# Altium PCB betrusted_dvt1b-dfm.PcbDoc (part 1 of 6) (continued)
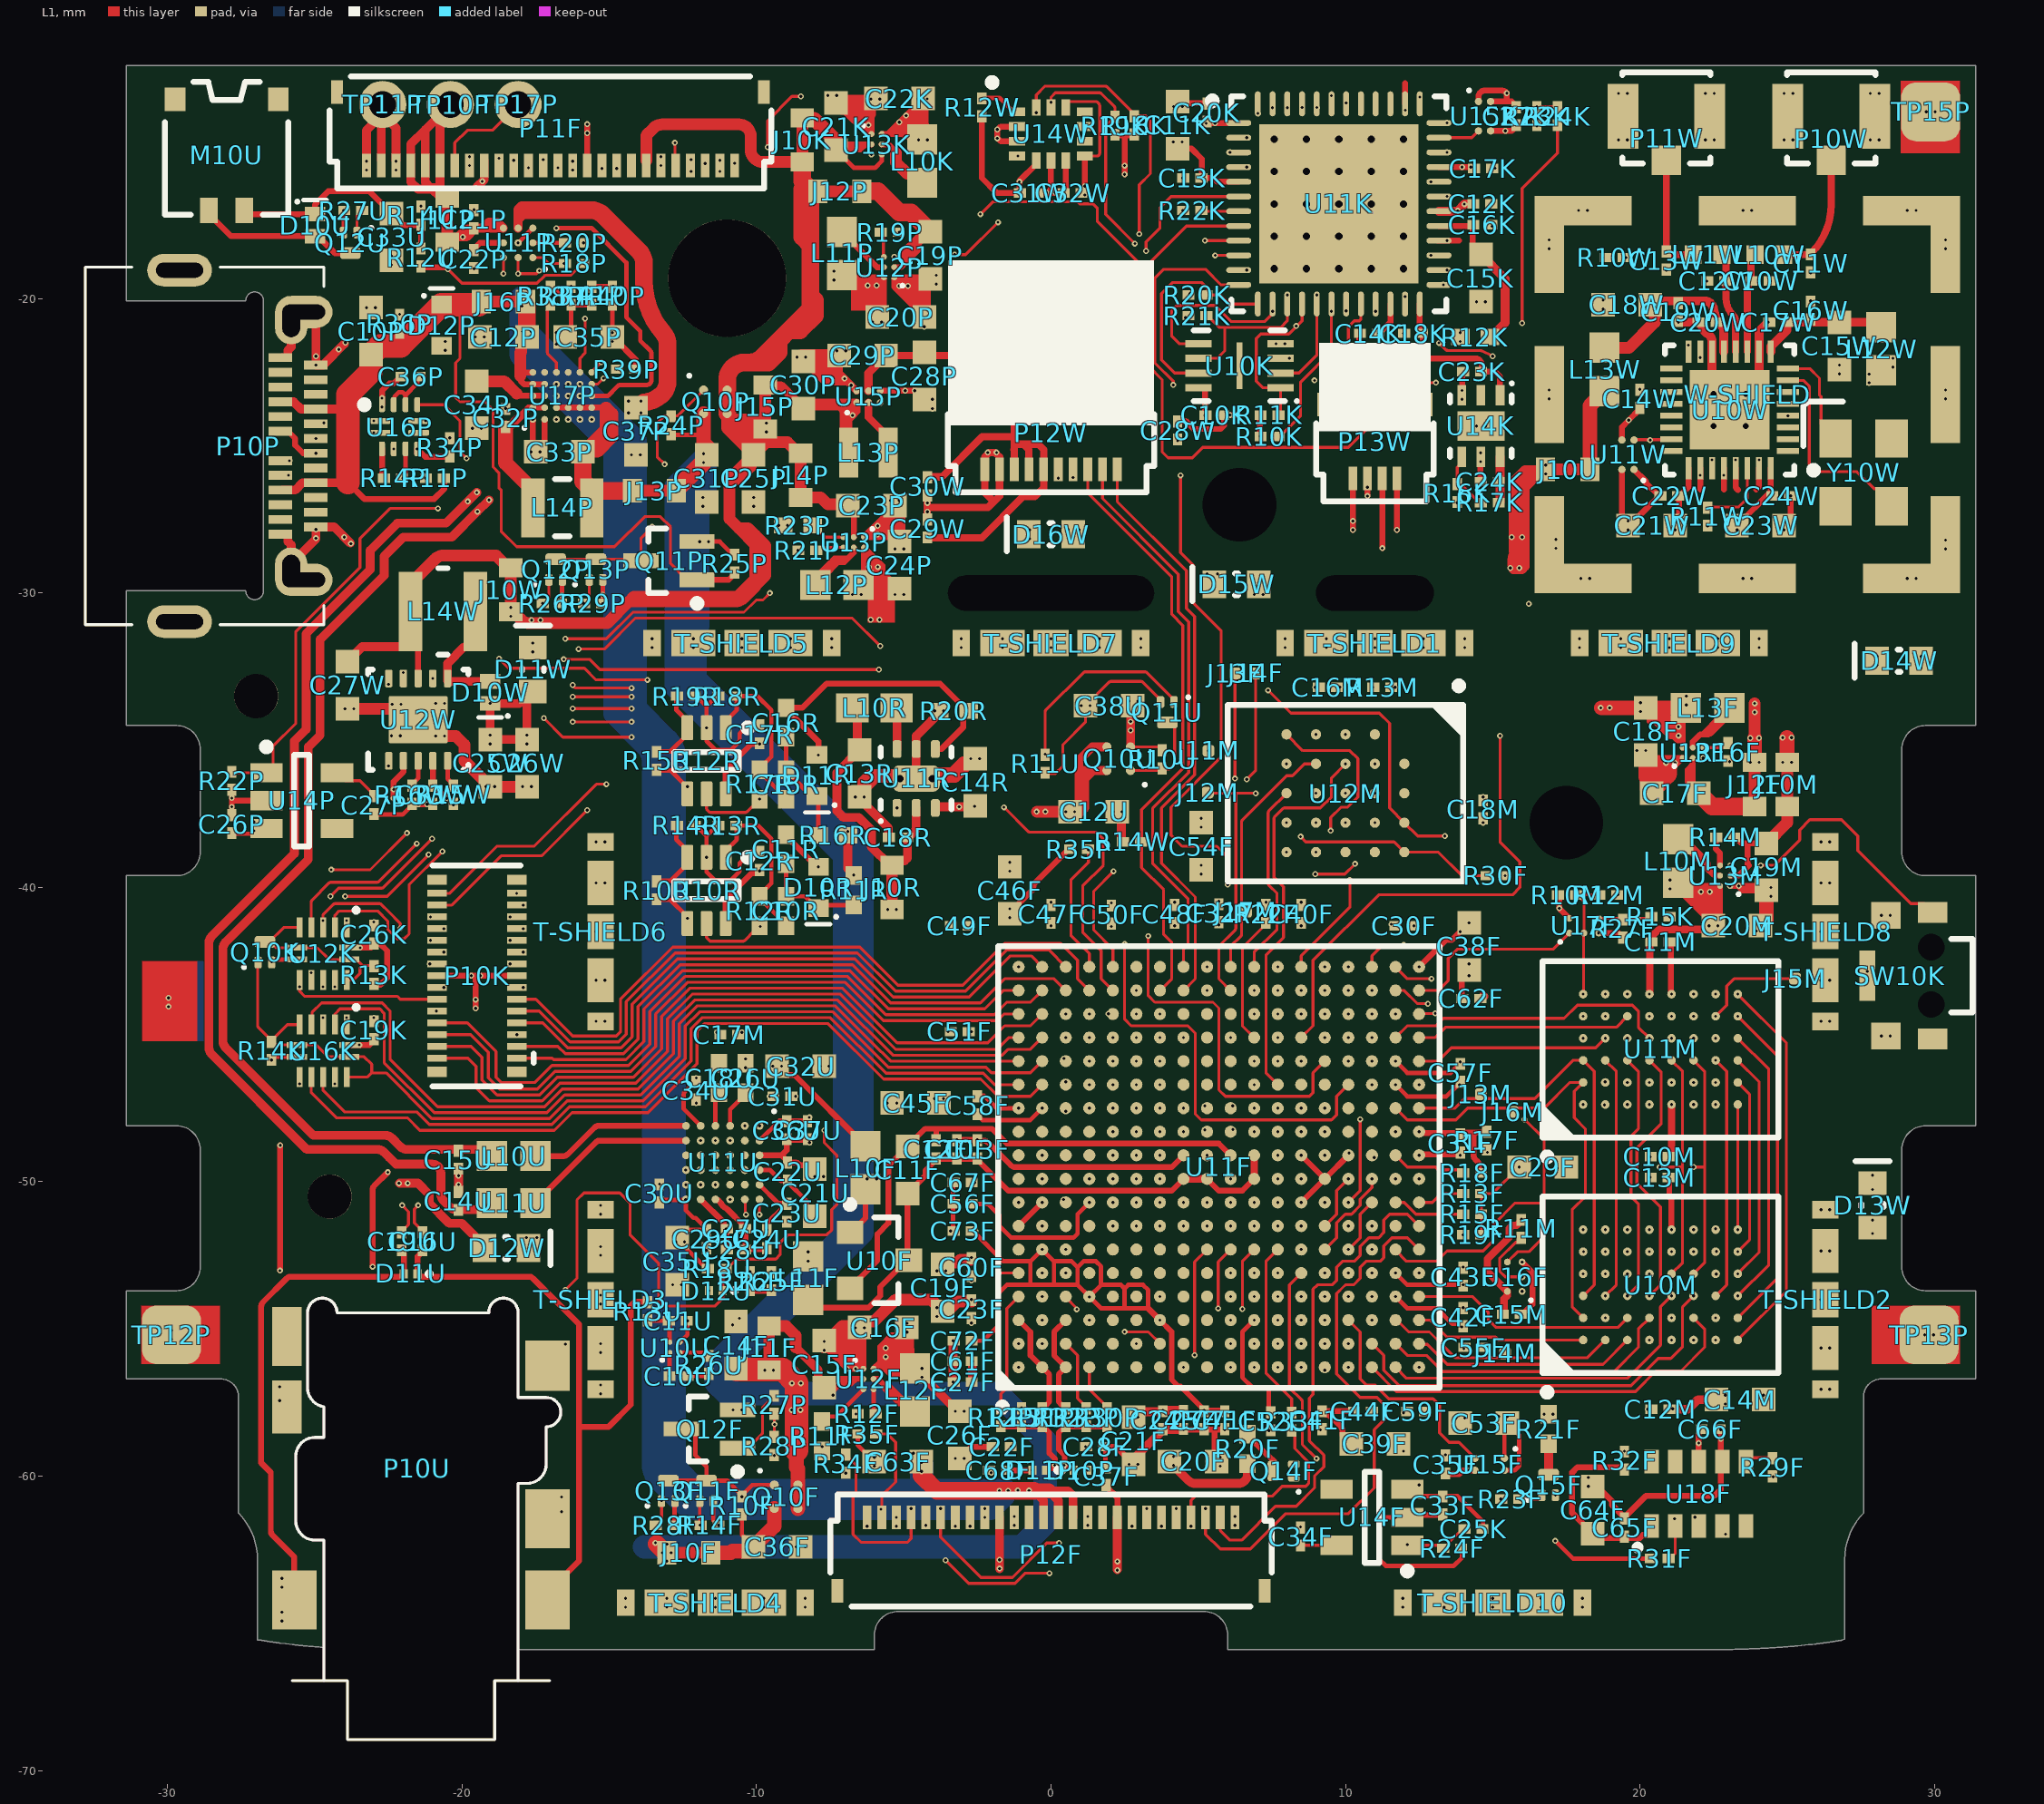
[diagram p0: L1 view]
## Components (designator, comment, footprint, x,y, rotation, side; value= is the part's Value field where it differs from the comment)
C10F "0.47uF, 6.3V, X5R" B_CAP0201 -3.2,-48.9 r270 top
C10K "0.1uF, 6.3V, X5R" B_CAP0201 5.55,-23.95 r0 top
C10M "0.47uF, 6.3V, X5R" B_CAP0201 20.675,-49.15 r180 top
C10P "1.0uF, 25V, X5R" B_CAP0603 -23.1,-21.1 r90 top
C10R "1500pF, 50V, X7R" B_CAP0402 -9,-40.8 r270 top
C10U "1.0uF, 6.3V, X5R" B_CAP0201 -12.65,-56.6 r0 top
C10W "1.8pF, NP0" B_CAP0201 24.1,-19.4 r0 top
C11F "10uF, 6.3V, X5R" B_CAP0603 -4.875,-49.6 r270 top
C11K "10uF, 6.3V, X5R" B_CAP0603 4.3,-14.1 r90 top
C11M "0.1uF, 6.3V, X5R" B_CAP0201 20.7,-41.85 r0 top
C11R "220pF, NP0, 50V" B_CAP0402 -9,-38.7 r270 top
C11U "1.0uF, 6.3V, X5R" B_CAP0201 -12.675,-54.725 r0 top
C11W "0.8pF, NP0" B_CAP0201 25.8,-18.8 r270 top
C12F "0.1uF, 6.3V, X5R" B_CAP0201 -3.9,-48.9 r270 top
C12K "0.47uF, 6.3V, X5R" B_CAP0201 14.647,-16.771 r0 top
C12M "0.47uF, 6.3V, X5R" B_CAP0201 20.7,-57.725 r180 top
C12P "1.0uF, 25V, X5R" B_CAP0603 -18.6,-21.3 r180 top
C12R "0.1uF, 6.3V, X5R" B_CAP0201 -9.9,-39.1 r270 top
C12U "10uF, 6.3V, X5R" B_CAP0603 1.45,-37.425 r0 top
C12W "1.8pF, NP0" B_CAP0201 22.6,-19.4 r180 top
C13F "0.1uF, 6.3V, X5R" B_CAP0201 -2.5,-48.9 r270 top
C13K "0.47uF, 6.3V, X5R" B_CAP0201 4.8,-15.9 r180 top
C13M "0.1uF, 6.3V, X5R" B_CAP0201 20.675,-49.85 r0 top
C13R "10uF, 6.3V, X5R" B_CAP0603 -6.5,-36.125 r270 top
C13W "0.8pF, NP0" B_CAP0201 20.9,-18.7 r270 top
C14F "10uF, 6.3V, X5R" B_CAP0603 -10.7,-55.55 r90 top
C14K "0.47uF, 6.3V, X5R" B_CAP0201 10.8,-21.175 r180 top
C14M "10uF, 6.3V, X5R" B_CAP0603 23.4,-57.4 r0 top
C14R "1uF, 50V, X5R" B_CAP0603 -2.575,-36.425 r90 top
C14U "12pF, NP0" B_CAP0201 -20.125,-50.65 r90 top
C14W "0.1uF, 6.3V, X5R" B_CAP0201 20,-23.4 r90 top
C15F "10uF, 6.3V, X5R" B_CAP0603 -7.7,-56.2 r90 top
C15K "10uF, 6.3V, X5R" B_CAP0603 14.6,-19.3 r270 top
C15M "1.0uF, 6.3V, X5R" B_CAP0201 15.65,-54.5 r180 top
C15R "1500pF, 50V, X7R" B_CAP0402 -9,-36.5 r270 top
C15U "12pF, NP0" B_CAP0201 -20.125,-49.25 r90 top
C15W "10uF, 6.3V, X5R" B_CAP0603 26.775,-21.6 r270 top
C16F "10uF, 6.3V, X5R" B_CAP0603 -5.7,-54.95 r180 top
C16K "0.1uF, 6.3V, X5R" B_CAP0201 14.647,-17.479 r0 top
C16M "0.47uF, 6.3V, X5R" B_CAP0201 9.4,-33.2 r0 top
C16R "220pF, NP0, 50V" B_CAP0402 -9,-34.4 r270 top
C16U "1.0uF, 6.3V, X5R" B_CAP0201 -21.35,-52.025 r90 top
C16W "0.047uF 6.3V X5R" B_CAP0201 25.8,-20.4 r90 top
C17F "10uF, 6.3V, X5R" B_CAP0603 21.2,-36.8 r180 top
C17K "0.47uF, 6.3V, X5R" B_CAP0201 14.675,-15.569 r0 top
C17M "0.1uF, 6.3V, X5R" B_CAP0201 -10.925,-45 r0 top
C17R "0.1uF, 6.3V, X5R" B_CAP0201 -9.9,-34.8 r270 top
C17W "12pF, NP0" B_CAP0201 24.7,-20.8 r180 top
C18F "10uF, 6.3V, X5R" B_CAP0603 20.2,-34.7 r270 top
C18K "0.47uF, 6.3V, X5R" B_CAP0201 12.3,-21.175 r180 top
C18M "0.1uF, 6.3V, X5R" B_CAP0201 14.675,-37.35 r90 top
C18R "1.0uF, 6.3V, X5R" B_CAP0201 -5.2,-38.3 r0 top
C18U "2.2uF, 6.3V, X5R" B_CAP0402 -11.275,-46.475 r90 top
C18W "10uF, 6.3V, X5R" B_CAP0603 19.55,-20.2 r180 top
C19F "10uF, 6.3V, X5R" B_CAP0603 -3.675,-53.6 r270 top
C19K "0.1uF, 6.3V, X5R" B_CAP0201 -23,-44.85 r90 top
C19M "10uF, 6.3V, X5R" B_CAP0603 24.3,-39.3 r270 top
C19P "10uF, 6.3V, X5R" B_CAP0603 -4.1,-18.525 r270 top
C19U "1.0uF, 6.3V, X5R" B_CAP0201 -22.05,-52.025 r90 top
C19W "0.047uF 6.3V X5R" B_CAP0201 21.3,-20.45 r270 top
C20F "10uF, 6.3V, X5R" B_CAP0603 4.825,-59.5 r0 top
C20K "0.47uF, 6.3V, X5R" B_CAP0201 5.3,-13.675 r90 top
C20M "10uF, 6.3V, X5R" B_CAP0603 23.3,-41.3 r0 top
C20P "10uF, 6.3V, X5R" B_CAP0603 -5.1,-20.625 r0 top
C20W "12pF, NP0" B_CAP0201 22.3,-20.8 r180 top
C21F "10uF, 6.3V, X5R" B_CAP0603 2.8,-58.8 r270 top
C21K "10uF, 6.3V, X5R" B_CAP0603 -7.3,-14.15 r90 top
C21P "1.0uF, 6.3V, X5R" B_CAP0201 -19.6,-17.3 r270 top
C21U "10uF, 6.3V, X5R" B_CAP0603 -8.025,-50.375 r90 top
C21W "10uF, 6.3V, X5R" B_CAP0603 20.4,-27.7 r180 top
C22F "1.0uF, 6.3V, X5R" B_CAP0201 -1.675,-59 r0 top
C22K "10uF, 6.3V, X5R" B_CAP0603 -5.15,-13.2 r180 top
C22P "0.47uF, 6.3V, X5R" B_CAP0201 -19.6,-18.65 r270 top
C22U "0.1uF, 6.3V, X5R" B_CAP0201 -8.95,-49.65 r90 top
C22W "0.1uF, 6.3V, X5R" B_CAP0201 21,-26.7 r180 top
C23F "0.47uF, 6.3V, X5R" B_CAP0201 -2.7,-54.325 r90 top
C23K "1.0uF, 6.3V, X5R" B_CAP0201 14.3,-22.475 r180 top
C23P "10uF, 6.3V, X5R" B_CAP0603 -6.1,-27.025 r0 top
C23U "0.1uF, 6.3V, X5R" B_CAP0201 -8.975,-51.05 r270 top
C23W "10uF, 6.3V, X5R" B_CAP0603 24.1,-27.7 r0 top
C24F "0.47uF, 6.3V, X5R" B_CAP0201 3.8,-58.1 r270 top
C24K "1.0uF, 6.3V, X5R" B_CAP0201 14.9,-26.225 r180 top
C24P "10uF, 6.3V, X5R" B_CAP0603 -5.15,-29.05 r90 top
C24U "1.0uF, 6.3V, X5R" B_CAP0201 -9.65,-51.95 r90 top
C24W "0.01uF, 25V, X5R" B_RES0201 24.8,-26.7 r0 top
C25F "0.47uF, 6.3V, X5R" B_CAP0201 4.5,-58.09 r270 top
C25K "0.01uF, 25V, X5R" B_RES0201 14.35,-61.8 r0 top
C25P "10uF, 6.3V, X5R" B_CAP0603 -10.1,-26.1 r270 top
C25W "1.0uF, 25V, X5R" B_CAP0603 -19.05,-35.775 r270 top
C26F "10uF, 6.3V, X5R" B_CAP0603 -3.1,-58.6 r270 top
C26K "0.1uF, 6.3V, X5R" B_CAP0201 -23,-41.6 r90 top
C26P "0.1uF, 6.3V, X5R" B_CAP0201 -27.825,-37.85 r270 top
C26U "2.2uF, 6.3V, X5R" B_CAP0402 -10.375,-46.475 r270 top
C26W "1.0uF, 25V, X5R" B_CAP0603 -17.8,-35.775 r270 top
C27F "1.0uF, 6.3V, X5R" B_CAP0201 -3,-56.8 r0 top
C27K "0.01uF, 25V, X5R" B_RES0201 15.8,-13.8 r90 top
C27P "560pF, NP0" B_RES0201 -23,-37.2 r270 top
C27U "0.1uF, 6.3V, X5R" B_CAP0201 -10.7,-51.6 r0 top
C27W "1.0uF, 25V, X5R" B_CAP0603 -23.9,-33.125 r270 top
C28F "0.47uF, 6.3V, X5R" B_CAP0201 1.5,-59 r0 top
C28P "10uF, 6.3V, X5R" B_CAP0603 -4.3,-22.625 r270 top
C28U "1.0uF, 6.3V, X5R" B_CAP0201 -10.7,-52.3 r180 top
C28W "560pF, NP0" B_RES0201 4.3,-24.475 r90 top
C29F "10uF, 6.3V, X5R" B_CAP0603 16.7,-49.5 r0 top
C29P "10uF, 6.3V, X5R" B_CAP0603 -6.4,-21.925 r180 top
C29U "0.1uF, 6.3V, X5R" B_CAP0201 -11.7,-51.95 r270 top
C29W "1.0uF, 6.3V, X5R" B_CAP0201 -4.2,-27.8 r270 top
C30F "1.0uF, 6.3V, X5R" B_CAP0201 12,-41.3 r180 top
C30P "10uF, 6.3V, X5R" B_CAP0603 -8.412,-22.927 r90 top
C30U "1.0uF, 6.3V, X5R" B_CAP0201 -13.3,-50.4 r270 top
C30W "1.0uF, 6.3V, X5R" B_CAP0201 -4.2,-26.375 r90 top
C31F "0.47uF, 6.3V, X5R" B_CAP0201 13.9,-48.7 r90 top
C31P "10uF, 6.3V, X5R" B_CAP0603 -11.7,-26.1 r270 top
C31U "0.1uF, 6.3V, X5R" B_CAP0201 -9.125,-47.1 r0 top
C31W "0.1uF, 6.3V, X5R" B_CAP0201 -0.75,-16.4 r0 top
C32F "0.47uF, 6.3V, X5R" B_CAP0201 5.7,-40.875 r90 top
C32P "0.047uF 6.3V X5R" B_CAP0201 -18.525,-24.05 r90 top
C32U "10uF, 6.3V, X5R" B_CAP0603 -8.5,-46.075 r0 top
C32W "0.1uF, 6.3V, X5R" B_CAP0201 0.725,-16.4 r180 top
C33F "0.1uF, 6.3V, X5R" B_CAP0201 13.3,-61 r90 top
C33P "10uF, 6.3V, X5R" B_CAP0603 -16.7,-25.2 r180 top
C33U "10uF, 6.3V, X5R" B_CAP0603 -22.4,-17.9 r90 top
C33W "0.1uF, 6.3V, X5R" B_CAP0201 -21,-36.85 r270 top
C34F "560pF, NP0" B_RES0201 8.475,-62.05 r90 top
C34P "10uF, 6.3V, X5R" B_CAP0603 -19.5,-23.6 r270 top
C34U "0.1uF, 6.3V, X5R" B_CAP0201 -12.05,-46.9 r90 top
C35F "0.01uF, 25V, X5R" B_RES0201 13.4,-59.6 r90 top
C35P "4.7uF, 10V, X5R" B_CAP0603 -15.7,-21.3 r180 top
C35U "10uF, 6.3V, X5R" B_CAP0603 -12.7,-52.7 r270 top
C36F "10uF, 6.3V, X5R" B_CAP0603 -9.3,-62.4 r0 top
C36P "0.1uF, 6.3V, X5R" B_CAP0201 -21.75,-22.65 r0 top
C36U "0.1uF, 6.3V, X5R" B_CAP0201 -8.975,-48.25 r270 top
C37F "1.0uF, 6.3V, X5R" B_CAP0201 1.875,-60 r270 top
C37P "10uF, 6.3V, X5R" B_CAP0603 -14.1,-24.5 r270 top
C37U "1.0uF, 6.3V, X5R" B_CAP0201 -8.275,-48.25 r90 top
C38F "10uF, 6.3V, X5R" B_CAP0603 14.2,-42 r90 top
C38U "10uF, 6.3V, X5R" B_CAP0603 1.975,-33.825 r180 top
C39F "10uF, 6.3V, X5R" B_CAP0603 11,-58.9 r0 top
C40F "1.0uF, 6.3V, X5R" B_CAP0201 8.5,-40.9 r270 top
C41F "0.47uF, 6.3V, X5R" B_CAP0201 9.2,-58.1 r270 top
C42F "0.47uF, 6.3V, X5R" B_CAP0201 14,-54.6 r270 top
C43F "0.47uF, 6.3V, X5R" B_CAP0201 14,-53.225 r90 top
C44F "0.47uF, 6.3V, X5R" B_CAP0201 10.6,-57.8 r0 top
C45F "10uF, 6.3V, X5R" B_CAP0603 -4.6,-47.325 r180 top
C46F "10uF, 6.3V, X5R" B_CAP0603 -1.4,-40.1 r90 top
C47F "1.0uF, 6.3V, X5R" B_CAP0201 0,-40.9 r270 top
C48F "0.47uF, 6.3V, X5R" B_CAP0201 4.2,-40.9 r90 top
C49F "0.47uF, 6.3V, X5R" B_CAP0201 -3.1,-41.3 r180 top
C50F "0.47uF, 6.3V, X5R" B_CAP0201 2.05,-40.925 r90 top
C51F "0.47uF, 6.3V, X5R" B_CAP0201 -3.1,-44.9 r180 top
C52F "1.0uF, 6.3V, X5R" B_CAP0201 7.464,-58.137 r90 top
C53F "10uF, 6.3V, X5R" B_CAP0603 14.7,-58.2 r0 top
C54F "10uF, 6.3V, X5R" B_CAP0603 5.1,-38.6 r90 top
C55F "1.0uF, 6.3V, X5R" B_CAP0201 14.35,-55.625 r180 top
C56F "0.47uF, 6.3V, X5R" B_CAP0201 -3,-50.75 r180 top
C57F "0.47uF, 6.3V, X5R" B_CAP0201 13.9,-46.3 r90 top
C58F "0.47uF, 6.3V, X5R" B_CAP0201 -2.5,-47.4 r90 top
C59F "0.47uF, 6.3V, X5R" B_CAP0201 12.4,-57.8 r180 top
C60F "0.47uF, 6.3V, X5R" B_CAP0201 -2.7,-52.9 r270 top
C61F "0.47uF, 6.3V, X5R" B_CAP0201 -3,-56.1 r180 top
C62F "0.47uF, 6.3V, X5R" B_CAP0201 14.275,-43.775 r0 top
C63F "1.0uF, 25V, X5R" B_CAP0603 -5.202,-59.509 r180 top
C64F "10uF, 6.3V, X5R" B_CAP0603 18.4,-61.15 r90 top
C65F "0.1uF, 6.3V, X5R" B_CAP0201 19.475,-61.75 r90 top
C66F "0.1uF, 6.3V, X5R" B_CAP0201 22.4,-58.4 r0 top
C67F "1.0uF, 6.3V, X5R" B_CAP0201 -3,-50.025 r0 top
C68F "0.47uF, 6.3V, X5R" B_CAP0201 -1.8,-59.8 r0 top
C71F "1.0uF, 6.3V, X5R" B_CAP0201 5.9,-58.1 r90 top
C72F "0.47uF, 6.3V, X5R" B_CAP0201 -3,-55.4 r180 top
C73F "0.47uF, 6.3V, X5R" B_CAP0201 -3,-51.675 r180 top
C74F "0.47uF, 6.3V, X5R" B_CAP0201 5.2,-58.1 r270 top
D10P "ESD7331MUT5G" D_X3DFN2_0201 1,-59.8 r180 top
D10R "BZT585B15T-7" SOD523 -7.9,-40 r270 top
D10U "DB2G42600L1" B_DIO0402 -25,-17.5 r90 top
D10W "DB2G42600L1" B_DIO0402 -19.05,-33.375 r270 top
D11P "ESD7331MUT5G" D_X3DFN2_0201 -0.4,-59.8 r0 top
D11R "BZT585B15T-7" SOD523 -7.95,-36.2 r270 top
D11U "ESD7331MUT5G" D_X3DFN2_0201 -21.75,-53.125 r0 top
D11W "IN-S63AT5UW" B_DIO0603 -17.6,-32.6 r90 top
D12P "CPDUR24V" SOD523 -20.7,-20.9 r90 top
D12U "ESD7331MUT5G" D_X3DFN2_0201 -11.385,-53.7 r0 top
D12W "IN-S63AT5UW" B_DIO0603 -18.5,-52.25 r0 top
D13W "IN-S63AT5UW" B_DIO0603 27.9,-50.8 r90 top
D14W "IN-S63AT5UW" B_DIO0603 28.8,-32.3 r180 top
D15W "IN-S63AT5UW" B_DIO0603 6.3,-29.7 r180 top
D16W "IN-S63AT5UW" B_DIO0603 0,-28 r180 top
J10F "power tap (DNP)" RESTAP-0603 -12.3,-62.6 r180 top
J10K "power tap (DNP)" RESTAP-0603 -8.45,-14.6 r270 top
J10M "power tap (DNP)" RESTAP-0603 25,-36.5 r90 top
J10R "power tap (DNP)" RESTAP-0603 -5.4,-40 r270 top
J10U "power tap (DNP)" RESTAP-0603 17.55,-25.8 r180 top
J10W "power tap (DNP)" RESTAP-0603 -18.35,-29.887 r90 top
J11F "power tap (DNP)" RESTAP-0603 -9.575,-55.65 r270 top
J11M "TP (DNP)" TP_0.4x0.4_SMT 5.348,-35.359 r90 top
J11P "power tap (DNP)" RESTAP-0603 -20.5,-17.325 r90 top
J12F "power tap (DNP)" RESTAP-0603 23.9,-36.5 r270 top
J12M "TP (DNP)" TP_0.4x0.4_SMT 5.325,-36.775 r90 top
J12P "power tap (DNP)" RESTAP-0603 -7.175,-16.35 r180 top
J13F "TP (DNP)" TP_0.4x0.4_SMT 6.25,-32.725 r90 top
J13M "TP (DNP)" TP_0.4x0.4_SMT 14.6,-47.025 r90 top
J13P "power tap (DNP)" RESTAP-0603 -13.475,-26.525 r0 top
J14F "TP (DNP)" TP_0.4x0.4_SMT 6.95,-32.725 r90 top
J14M "TP (DNP)" TP_0.4x0.4_SMT 15.425,-55.825 r90 top
J14P "power tap (DNP)" RESTAP-0603 -8.5,-26 r90 top
J15M "TP (DNP)" TP_0.4x0.4_SMT 25.275,-43.1 r90 top
J15P "power tap (DNP)" RESTAP-0603 -9.7,-23.675 r270 top
J16M "TP (DNP)" TP_0.4x0.4_SMT 15.675,-47.625 r90 top
J16P "power tap (DNP)" RESTAP-0603 -18.6,-20.1 r180 top
J17M "TP (DNP)" TP_0.4x0.4_SMT 6.625,-40.825 r90 top
L10F "Ferrite 600 ohm" B_IND0603 -6.3,-49.525 r270 top
L10K "0.47uH 0603" B_IND0603 -4.375,-15.325 r90 top
L10M "0.47uH 0603" B_IND0603 21.3,-39.1 r270 top
L10R "22uH MLZ1608M220WT000" INDC1608AN -6,-33.9 r0 top
L10U "Ferrite 600 ohm" B_IND0603 -18.25,-49.125 r180 top
L10W "2.7nH" B_IND0402 24.4,-18.5 r0 top
L11F "Ferrite 600 ohm" B_IND0603 -8.25,-53.275 r270 top
L11P "0.47uH 0603" B_IND0603 -7.1,-18.46 r270 top
L11U "Ferrite 600 ohm" B_IND0603 -18.25,-50.725 r180 top
L11W "2.7nH" B_IND0402 22.3,-18.5 r180 top
L12F "0.47uH 0603" B_IND0603 -4.625,-57.075 r90 top
L12P "0.47uH 0603" B_IND0603 -7.275,-29.725 r0 top
L12W "Ferrite 600 ohm" B_IND0603 28.2,-21.7 r270 top
L13F "0.47uH 0603" B_IND0603 22.3,-33.9 r180 top
L13P "2.2uH 2016" B_IND2016_TDK -6.2,-25.225 r0 top
L13W "Ferrite 600 ohm" B_IND0603 18.8,-22.4 r270 top
L14P "1.0uH 3.3A 2520" B_IND2025_SAM -16.6,-27.1 r0 top
L14W "10uH 0.81A 3030" B_IND3030_MUR -20.65,-30.625 r0 top
M10U "0781710002 to Motor" MOLEX_0781710002 -28,-17 r180 top
P10K "DF40C-30DP-0.4V(51)" HRS_DF40C-30DP-0.4V(51) -19.5,-43 r90 top
P10P "USB Type C Connector" TE_1-2295018-2 -29.6,-25 r270 top locked
P10U "SJ-43504-SMT-TR" CUI_SJ_43504_SMT_TR_FLIP -21.4,-66.95 r270 top locked
P10W "KAWEEI P1163-0140R" HRS_U.FL 26.5,-13.8 r0 top
P11F "26-pin FPC" HRS_FH34SRJ-26S-0.5SH(50) -17,-15.475 r180 top locked
P11W "KAWEEI P1163-0140R" HRS_U.FL 20.9,-13.8 r0 top
P12F "26-pin FPC" HRS_FH34SRJ-26S-0.5SH(50) 0,-61.4 r0 top locked
P12W "FH34SRJ-10S-0.5SH" HRS_FH34SRJ-10S-0.5SH(50) 0,-25.8 r180 top
P13W "FH34SRJ-4S-0.5SH" HRS_FH34SRJ-4S-0.5SH(50) 11,-26.1 r180 top
Q10F "Si8425DB" VISHAY_MICRO_FOOT_4_BUMP -9,-60.7 r0 top
Q10K "PMZ290UNE2" SOT883 -26.7,-42.2 r90 top
Q10P "Si8425DB" VISHAY_MICRO_FOOT_4_BUMP -11.4,-23.5 r0 top
Q10U "Si8425DB" VISHAY_MICRO_FOOT_4_BUMP 2.3,-35.625 r180 top
Q11F "PMZ290UNE2" SOT883 -11.7,-60.5 r90 top
Q11P "DMN67D8LW" SOT323-3AN -12.975,-28.9 r180 top
Q11U "PMZ290UNE2" SOT883 3.95,-34.05 r270 top
Q12F "DMN67D8LW" SOT323-3AN -11.6,-58.4 r180 top
Q12P "PMZ290UNE2" SOT883 -16.825,-29.2 r90 top
Q12U "PMZ290UNE2" SOT883 -23.8,-18.1 r270 top
Q13F "PMZ290UNE2" SOT883 -13,-60.5 r90 top
Q13P "PMZ290UNE2" SOT883 -15.455,-29.2 r90 top
Q14F "PMZ290UNE2" SOT883 7.9,-59.825 r180 top
Q15F "PMZ290UNE2" SOT883 16.9,-60.3 r90 top
R10F "220k, 1%" B_RES0201 -10.5,-61 r270 top
R10K "100k, 1%" B_RES0201 7.425,-24.675 r180 top
R10M "47k, 1%" B_RES0201 17.525,-40.25 r0 top
R10R "100k, 1%" B_RES0201 -13.4,-40.1 r90 top
R10U "220k, 1%" B_RES0201 3.775,-35.65 r90 top
R10W "10k, 1%" B_RES0201 19.15,-18.6 r0 top
R11F "18.7k, 1%, +/-200ppm" B_RES0402 -7.775,-58.65 r270 top
R11K "10k, 1%" B_RES0201 7.425,-23.95 r0 top
R11M "47k, 1%" B_RES0201 15.975,-51.6 r270 top
R11P "887k, 1%" B_RES0201 -20.925,-26.1 r180 top
R11R "470k, 1%" B_RES0402 -6.7,-40.1 r90 top
R11U "DNP" B_RES0201 -0.2,-35.8 r90 top
R11W "10k, 1%" B_RES0201 22.3,-27.4 r270 top
R12F "0 ohm" B_RES0201 -6.258,-57.879 r180 top
R12K "100, 1%" B_RES0402 14.4,-21.3 r180 top
R12M "DNP" B_RES0201 18.925,-40.25 r0 top
R12P "15k, 1%" B_RES0201 -1.7,-58 r90 top
R12R "5.1M, 1%" B_RES0402 -9.9,-40.8 r270 top
R12U "0 ohm" B_RES0201 -21.4,-18.6 r270 top
R12W "1.0k, 1%" B_RES0201 -2.35,-13.5 r270 top
R13F "330, 1%" B_RES0201 14.3,-50.4 r0 top
R13K "100k, 1%" B_RES0201 -23,-42.975 r270 top
R13M "2.2k, 1%" B_RES0201 11.25,-33.2 r0 top
R13R "220k, 1%" B_RES0201 -11,-37.9 r0 top
R13U "2.2k, 1%" B_RES0201 -13.7,-54.4 r270 top
R14F "100k, 1%" B_RES0201 -11.6,-61.675 r180 top
R14K "220k, 1%" B_RES0201 -26.475,-45.55 r90 top
R14M "0 ohm" B_RES0201 22.9,-38.3 r180 top
R14P "DNP" B_RES0201 -22.35,-26.1 r0 top
R14R "20k, 1%" B_RES0201 -12.4,-37.9 r180 top
R14U "DNP" B_RES0201 -21.4,-17.175 r270 top
R14W "100k, 1%" B_RES0201 2.75,-38.45 r0 top
R15F "4.7k, 1%" B_RES0201 14.3,-51.1 r0 top
R15K "100k, 1%" B_RES0201 20.7,-41 r180 top
R15P "1.5k, 1%" B_RES0201 -1,-58 r90 top
R15R "100k, 1%" B_RES0201 -13.4,-35.7 r90 top
R15W "10k, 1%" B_RES0201 -20.3,-36.85 r90 top
R16F "0 ohm" B_RES0201 23,-35.4 r90 top
R16K "0 ohm" B_RES0201 13.8,-26.6 r90 top
R16R "470k, 1%" B_RES0402 -7.4,-38.225 r0 top
R16W "10k, 1%" B_RES0201 -21.7,-36.85 r270 top
R17F "1.0k, 1%" B_RES0201 14.8,-48.6 r270 top
R17K "DNP" B_RES0201 14.9,-26.925 r180 top
R17R "5.1M, 1%" B_RES0402 -9.9,-36.5 r270 top
R18F "1.0k, 1%" B_RES0201 14.3,-49.7 r180 top
R18K "4.7k, 1%" B_RES0201 2.825,-14.111 r270 top
R18P "10k, 1%" B_RES0201 -16.2,-18.8 r180 top
R18R "220k, 1%" B_RES0201 -11,-33.5 r0 top
R18U "560k, 1%" B_RES0201 -11.35,-52.95 r180 top
R19F "1.0k, 1%" B_RES0201 14.3,-51.8 r180 top
R19K "4.7k, 1%" B_RES0201 2.172,-14.122 r270 top
R19P "0 ohm" B_RES0201 -5.479,-17.739 r180 top
R19R "20k, 1%" B_RES0201 -12.4,-33.5 r180 top
R20F "47, 1%" B_RES0402 6.675,-59.075 r270 top
R20K "100k, 1%" B_RES0201 4.975,-19.875 r180 top
R20P "10k, 1%" B_RES0201 -16.2,-18.1 r0 top
R20R "22k, 1%" B_RES0402 -3.3,-34 r0 top
R21F "47, 1%" B_RES0402 16.9,-58.4 r90 top
R21K "10k, 1%" B_RES0201 4.975,-20.575 r0 top
R21P "0 ohm" B_RES0201 -8.275,-28.55 r0 top
R22F "1.0k, 1%" B_RES0201 7.3,-40.9 r90 top
R22K "10k, 1%" B_RES0201 4.8,-17 r0 top
R22P "4.7k, 1%" B_RES0201 -27.825,-36.375 r270 top
R23F "220k, 1%" B_RES0201 15.6,-60.775 r0 top
R23K "0 ohm" B_RES0201 16.5,-13.8 r90 top
R23P "249k, 1%, +/-200ppm" B_RES0402 -8.6,-27.7 r180 top
R24F "4.7k, 1%" B_RES0201 13.625,-62.45 r0 top
R24K "DNP" B_RES0201 17.2,-13.8 r90 top
R24P "220k, 1%" B_RES0201 -12.9,-24.3 r270 top
R25F "4.7k, 1%" B_RES0201 -9.5,-53.375 r270 top
R25P "10k, 1%" B_RES0201 -10.75,-29 r90 top
R26F "4.7k, 1%" B_RES0201 -10.225,-53.375 r270 top
R26P "100k, 1%" B_RES0201 -16.955,-30.35 r180 top
R26U "100k, 1%" B_RES0201 -11.625,-56.225 r90 top
R27F "10k, 1%" B_RES0201 19.425,-41.4 r270 top
R27P "100k, 1%" B_RES0201 -9.4,-57.575 r90 top
R27U "100k, 1%" B_RES0201 -23.7,-17 r0 top
R28F "100k, 1%" B_RES0201 -13.125,-61.675 r180 top
R28P "5.1k, 1%" B_RES0201 -9.4,-58.975 r270 top
R29F "0 ohm" B_RES0201 24.5,-59.7 r270 top
R29P "10k, 1%" B_RES0201 -15.555,-30.35 r0 top
R30F "10k, 1%" B_RES0201 15.1,-39.6 r180 top
R30P "1.5k, 1%" B_RES0201 1.9,-58 r90 top
R31F "10k, 1%" B_RES0201 20.675,-62.8 r0 top
R31P "22, 1%" B_RES0201 -0.3,-58 r90 top
R32F "1.0k, 1%" B_RES0201 19.475,-59.475 r90 top
R32P "22, 1%" B_RES0201 0.5,-58 r90 top
R33F "0 ohm" B_RES0201 8.175,-58.15 r90 top
R33P "15k, 1%" B_RES0201 1.2,-58 r90 top
R34F "10k, 1%" B_RES0201 -6.975,-59.575 r90 top
R34P "100k, 1%" B_RES0201 -20.425,-25.05 r90 top
R35F "10k, 1%" B_RES0201 -6.242,-58.569 r180 top
R35P "100k, 1%" B_RES0201 0.95,-38.7 r180 top
R36P "10k, 1%" B_RES0201 -22.125,-20.85 r270 top
R37P "10k, 1%" B_RES0201 -16.3,-19.9 r90 top
R38P "10k, 1%" B_RES0201 -17,-19.9 r270 top
R39P "10k, 1%" B_RES0201 -14.434,-22.392 r180 top
R40P "10k, 1%" B_RES0201 -14.9,-19.9 r90 top
R41P "10k, 1%" B_RES0201 -15.6,-19.9 r270 top
SW10K "RA tact switch" CK_KMS221GPLFS 30.45,-43 r90 top locked
T-SHIELD1 "RF Shield" WURTH_36900000 11,-31.7 r180 top locked
T-SHIELD2 "RF Shield" WURTH_36900000 26.3,-54 r90 top locked
T-SHIELD3 "RF Shield" WURTH_36900000 -15.3,-54 r90 top locked
T-SHIELD4 "RF Shield" WURTH_36900000 -11.4,-64.3 r180 top locked
T-SHIELD5 "RF Shield" WURTH_36900000 -10.5,-31.7 r0 top locked
T-SHIELD6 "RF Shield" WURTH_36900000 -15.3,-41.5 r90 top locked
T-SHIELD7 "RF Shield" WURTH_36900000 0,-31.7 r180 top locked
T-SHIELD8 "RF Shield" WURTH_36900000 26.3,-41.5 r90 top locked
T-SHIELD9 "RF Shield" WURTH_36900000 21,-31.7 r180 top locked
T-SHIELD10 "RF Shield" WURTH_36900000 15,-64.3 r180 top locked
TP10P "solder terminal (DNP)" 55-MIL-HOLE#1 -20.4,-13.425 r90 top
TP11P "solder terminal (DNP)" 55-MIL-HOLE#2 -22.7,-13.4 r90 top
TP12P "test point (DNP)" TP_2MM_SQ -29.875,-55.2 r90 top
TP13P "test point (DNP)" TP_2MM_SQ 29.825,-55.2 r90 top
TP14P "test point (DNP)" TP_2MM_SQ -29.8,-43.875 r90 bottom
TP15P "test point (DNP)" TP_2MM_SQ 29.875,-13.65 r90 top
TP16P "test point (DNP)" TP_2MM_SQ -16,-18.975 r90 bottom
TP17P "solder terminal (DNP)" 55-MIL-HOLE#2 -18.1,-13.4 r90 top
U10F "TI-REF3012DBZ3" ONSC-SOT-23-3-318-08_V -5.83,-52.668 r0 top
U10K "MX25R8035FZUIL0" USON-8 6.4,-22.275 r180 top
U10M "4Mx16 PSRAM" BGA48C75P6X8_600X800X120 20.7,-53.5 r90 top locked
U10R "LMV981MG/NOPB" DCK0006A_N -11.7,-40.1 r270 top
U10U "LP5907UVX-2.2/NOPB" TI_YKE004 -12.775,-55.625 r90 top
U10W "WF200C" QFN40P400X400X90_HS-33N 23.05,-23.775 r180 top
U11F "XC7S50-L1CSGA324I" BGA324C80P18X18_1500X1500X150 5.7,-49.5 r90 top locked
U11K "iCE40UP5K- SG48" UP5K_QFN127P600-8N 9.776,-16.777 r0 top
U11M "4Mx16 PSRAM" BGA48C75P6X8_600X800X120 20.7,-45.5 r90 top locked
U11P "BQ27421-G1" BGA9C50P3X3_162X158X62 -18.1,-18.1 r180 top
U11R "TPS61158" SON65P200X80_HS-7N -4.58,-36.3 r90 top
U11U "LM49352RL/NOPB" YPG0036AWAW -11.15,-49.35 r270 top
U11W "SiT1532 32.768 kHz 100ppm" SiTIME_CSP 19.595,-25.3 r180 top
U12F "TPS62801" BGA6C35P2X3_70X105X40_NSMD -6.2,-56.7 r0 top
U12K "TS3A4751RUCR" QFN40P200X200X40-14L -24.725,-42.25 r180 top
U12M "1Gbit 1.8V SPINOR" BGA24C100P5X5_600X800X120 10,-36.8 r270 top locked
U12P "TPS62802" BGA6C35P2X3_70X105X40_NSMD -5.5,-18.925 r180 top
U12R "LMV981MG/NOPB" DCK0006A_N -11.7,-35.7 r270 top
U12W "LM3509SDE/NOPB" DSC0010A_V -21.496,-34.3 r90 top
U13F "TPS62802" BGA6C35P2X3_70X105X40_NSMD 21.8,-35.425 r90 top
U13K "TPS62801" BGA6C35P2X3_70X105X40_NSMD -5.925,-14.75 r0 top
U13M "TPS62802" BGA6C35P2X3_70X105X40_NSMD 22.9,-39.6 r180 top
U13P "TPS62802" BGA6C35P2X3_70X105X40_NSMD -6.7,-28.275 r270 top
U14F "BU4217G" SOT23-5AN 10.9,-61.4 r180 top
U14K "TPS78225" TI-DRV6-1600X1000TP_V 14.6,-24.325 r270 top
U14P "BU4217G" SOT23-5AN -25.45,-37.05 r0 top
U14W "LSM6DS3TR" LGA-14_2500X3000X860_N 0,-14.4 r0 top
U15F "SiT8021 12.000MHz" SiTIME_CSP 14.9,-59.6 r270 top
U15K "SiT8021 12.000MHz" SiTIME_CSP 14.725,-13.797 r0 top
U15P "TPS610997" BGA6C40P2X3_88X123X62 -6.2,-23.325 r90 top
U16F "SN74AUC1G66YZPR" YZP0005ADAD 15.75,-53.225 r180 top
U16K "TS3A4751RUCR" QFN40P200X200X40-14L -24.725,-45.55 r180 top
U16P "TUSB320LAI" QFN40P160X160X40-12N -22.125,-24.35 r0 top
U17F "SN74AUC1G66YZPR" YZP0005ADAD 18.1,-41.3 r90 top
U17P "BQ25618(T/R)" BGA30C40P5X6_196X236X62 -16.6,-23.3 r90 top
U18F "AB-RTCMC-32.768KHZ-B5ZE-S3-T" ABRACON_RTCMC_LGA10 22,-60.6 r90 top
W-SHIELD "RF Shield" WURTH_36X021312XS 23.65,-23.25 r90 top locked
Y10W "38.4MHz, 10ppm, 40ohm, 10pF" XOSC_3.2_2.5 27.6,-25.9 r270 top

## Footprints (in the part's own frame and the unit in brackets; to place one, negate y for a bottom-side part, rotate by r counter-clockwise, add the part's x,y. Pads: shape width x height; smd on the part's side, far side on the other; paste and mask are expansions set on the pad)
55-MIL-HOLE#1 [mm] "55 mil solder hole"
  round 1.6 hole 0.9: 1(0.025,0)
55-MIL-HOLE#2 [mm] "55 mil solder hole"
  round 1.6 hole 0.9: 1(0,0)
ABRACON_RTCMC_LGA10 [mm] "LGA10 package for ABracon RTCMC"
  rect 0.8x0.5 smd mask+0.07: 1(-1.1,1.6) 2(-1.1,0.8) 3(-1.1,0) 4(-1.1,-0.8) 5(-1.1,-1.6) 6(1.1,-1.6) 7(1.1,-0.8) 8(1.1,0) 9(1.1,0.8) 10(1.1,1.6)
  silkscreen extent -1.92,1.97 -1.73,2.17, body extent -1.25,-1.85 1.25,1.85, height 0.9
B_CAP0201 [mm] "Capacitor 0201"
  rect 0.41x0.32 smd mask+0.05: 1(-0.305,0) 2(0.305,0)
  body extent -0.32,-0.16 0.32,0.17, height 0.26
B_CAP0402 [mm] "Capacitor 0402"
  rect 0.63x0.55 smd mask+0.07: 1(-0.5,0) 2(0.5,0)
  body extent -0.53,-0.27 0.53,0.28, height 0.4
B_CAP0603 [mm] "Capacitor 0603"
  rect 0.8x0.8 smd mask+0.07: 1(-0.8,0) 2(0.8,0)
  body extent -0.85,-0.45 0.85,0.45, height 0.9
B_DIO0402 [mm] "Molded Diode, 2-Leads, Body 1.00x0.50mm, IPC Medium Density"
  rect 0.5x0.7 smd mask+0.07: 1(-0.375,0) 2(0.375,0)
  silkscreen extent 0.75,-0.4 0.85,0.65, body extent -0.5,-0.25 0.5,0.25, height 0.55
B_DIO0603 [mm] "Chip Diode, 2-Leads, Body 1.60x0.80mm, IPC Medium Density"
  rect 0.8x0.95 smd: 1(-0.75,0) 2(0.75,0)
  silkscreen extent -0.05,-0.58 1.5,0.57, body extent -0.8,-0.4 0.8,0.4, height 0.39
B_IND0402 [mm] "Inductor 0402"
  rect 0.58x0.64 smd: 1(-0.49,0) 2(0.49,0)
  body extent -0.55,-0.3 0.55,0.3, height 0.6
B_IND0603 [mm] "Inductor 0603"
  rect 1.03x1.02 smd: 1(-0.735,0) 2(0.735,0)
  body extent -0.9,-0.5 0.9,0.5, height 0.8
B_IND2016_TDK [mm] "Chip Inductor, 2-Leads, Body 2.00x1.60mm, IPC Medium Density"
  rect 0.65x1.7 smd: 1(-0.675,0) 2(0.675,0)
  body extent -1.1,-0.9 1.1,0.9, height 1
B_IND2025_SAM [mm] "2025 Inductor"
  rect 0.8x2 smd: 1(-1,0) 2(1,0)
  silkscreen extent -0.25,-0.97 0.25,0.97, body extent -1.25,-1 1.25,1, height 1
B_IND3030_MUR [mm] "Chip Inductor, 2-Leads, Body 3.00x3.00mm, IPC Medium Density"
  rect 0.8x2.7 smd: 1(-1.1,0) 2(1.1,0)
  silkscreen extent -0.15,-1.47 0.15,1.47, body extent -1.5,-1.5 1.5,1.5, height 1.1
B_RES0201 [mm] "Resistor 0201"
  rect 0.41x0.32 smd mask+0.05: 1(-0.305,0) 2(0.305,0)
  body extent -0.32,-0.16 0.32,0.17, height 0.26
B_RES0402 [mm] "Resistor 0402"
  rect 0.63x0.55 smd mask+0.07: 1(-0.5,0) 2(0.5,0)
  body extent -0.53,-0.27 0.53,0.28, height 0.4
BGA6C35P2X3_70X105X40_NSMD [mm] "BGA, 6-Leads, Body 0.70x1.05mmx0.40mm, Pitch 0.35mm"
  round 0.2 smd mask+0.032: A1(-0.175,0.35) A2(0.175,0.35) B1(-0.175,0) B2(0.175,0) C1(-0.175,-0.35) C2(0.175,-0.35)
  silkscreen extent -0.5,0.58 -0.41,0.68, body extent -0.35,-0.53 0.35,0.53, height 0.4
BGA6C40P2X3_88X123X62 [mm] "BGA, 6-Leads, Body 0.88x1.23mmx0.63mm, Pitch 0.40mm"
  round 0.23 smd mask+0.04: A1(-0.2,0.4) A2(0.2,0.4) B1(-0.2,0) B2(0.2,0) C1(-0.2,-0.4) C2(0.2,-0.4)
  silkscreen extent -0.59,0.67 -0.5,0.77, body extent -0.44,-0.62 0.44,0.62, height 0.63
BGA9C50P3X3_162X158X62 [mm] "BGA, 9-Leads, Body 1.62x1.58mmx0.63mm, Pitch 0.50mm"
  round 0.245 smd mask+0.05: A1(-0.5,0.5) A2(0,0.5) A3(0.5,0.5) B1(-0.5,0) B2(0,0) B3(0.5,0) C1(-0.5,-0.5) C2(0,-0.5) C3(0.5,-0.5)
  silkscreen extent -0.97,0.85 -0.87,0.94, body extent -0.81,-0.79 0.81,0.79, height 0.63
BGA24C100P5X5_600X800X120 [mm] "BGA, 24-Leads, Body 6.00x8.00mmx1.20mm, Pitch 1.00mm"
  round 0.35 smd: A2(-1,2) A3(0,2) A4(1,2) A5(2,2) B1(-2,1) B2(-1,1) B3(0,1) B4(1,1) B5(2,1) C1(-2,0) C2(-1,0) C3(0,0) C4(1,0) C5(2,0) D1(-2,-1) D2(-1,-1) D3(0,-1) D4(1,-1) D5(2,-1) E1(-2,-2) E2(-1,-2) E3(0,-2) E4(1,-2) E5(2,-2)
  silkscreen extent -3.77,-4 3,4, body extent -3,-4 3,4, height 1.2
BGA30C40P5X6_196X236X62 [mm] "BGA, 30-Leads, Body 1.96x2.36mmx0.63mm, Pitch 0.40mm"
  round 0.23 smd mask+0.05: A1(-0.8,1) A2(-0.4,1) A3(0,1) A4(0.4,1) A5(0.8,1) B1(-0.8,0.6) B2(-0.4,0.6) B3(0,0.6) B4(0.4,0.6) B5(0.8,0.6) C1(-0.8,0.2) C2(-0.4,0.2) C3(0,0.2) C4(0.4,0.2) C5(0.8,0.2) D1(-0.8,-0.2) D2(-0.4,-0.2) D3(0,-0.2) D4(0.4,-0.2) D5(0.8,-0.2) E1(-0.8,-0.6) E2(-0.4,-0.6) E3(0,-0.6) E4(0.4,-0.6) E5(0.8,-0.6) F1(-0.8,-1) F2(-0.4,-1) F3(0,-1) F4(0.4,-1) F5(0.8,-1)
  silkscreen extent -1.13,1.23 -1.04,1.33, body extent -0.98,-1.18 0.98,1.18, height 0.63
BGA48C75P6X8_600X800X120 [mm] "BGA, 48-Leads, Body 6.00x8.00mmx1.20mm, Pitch 0.75mm"
  round 0.29 smd: A1(-1.875,2.625) A2(-1.125,2.625) A3(-0.375,2.625) A4(0.375,2.625) A5(1.125,2.625) A6(1.875,2.625) B1(-1.875,1.875) B2(-1.125,1.875) B3(-0.375,1.875) B4(0.375,1.875) B5(1.125,1.875) B6(1.875,1.875) C1(-1.875,1.125) C2(-1.125,1.125) C3(-0.375,1.125) C4(0.375,1.125) C5(1.125,1.125) C6(1.875,1.125) D1(-1.875,0.375) D2(-1.125,0.375) D3(-0.375,0.375) D4(0.375,0.375) D5(1.125,0.375) D6(1.875,0.375) E1(-1.875,-0.375) E2(-1.125,-0.375) E3(-0.375,-0.375) E4(0.375,-0.375) E5(1.125,-0.375) E6(1.875,-0.375) F1(-1.875,-1.125) F2(-1.125,-1.125) F3(-0.375,-1.125) F4(0.375,-1.125) F5(1.125,-1.125) F6(1.875,-1.125) G1(-1.875,-1.875) G2(-1.125,-1.875) G3(-0.375,-1.875) G4(0.375,-1.875) G5(1.125,-1.875) G6(1.875,-1.875) H1(-1.875,-2.625) H2(-1.125,-2.625) H3(-0.375,-2.625) H4(0.375,-2.625) H5(1.125,-2.625) H6(1.875,-2.625)
  silkscreen extent -3.77,-4 3,4, body extent -3,-4 3,4, height 1.2
BGA324C80P18X18_1500X1500X150 [mm] "BGA, 324-Leads, Body 15.00x15.00mmx1.50mm, Pitch 0.80mm"
  round 0.41 smd: A1(-6.8,6.8) A2(-6,6.8) A3(-5.2,6.8) A4(-4.4,6.8) A5(-3.6,6.8) A6(-2.8,6.8) A7(-2,6.8) A8(-1.2,6.8) A9(-0.4,6.8) A10(0.4,6.8) A11(1.2,6.8) A12(2,6.8) A13(2.8,6.8) A14(3.6,6.8) A15(4.4,6.8) A16(5.2,6.8) A17(6,6.8) A18(6.8,6.8) B1(-6.8,6) B2(-6,6) B3(-5.2,6) B4(-4.4,6) B5(-3.6,6) B6(-2.8,6) B7(-2,6) B8(-1.2,6) B9(-0.4,6) B10(0.4,6) B11(1.2,6) B12(2,6) B13(2.8,6) B14(3.6,6) B15(4.4,6) B16(5.2,6) B17(6,6) B18(6.8,6) C1(-6.8,5.2) C2(-6,5.2) C3(-5.2,5.2) C4(-4.4,5.2) C5(-3.6,5.2) C6(-2.8,5.2) C7(-2,5.2) C8(-1.2,5.2) C9(-0.4,5.2) C10(0.4,5.2) C11(1.2,5.2) C12(2,5.2) C13(2.8,5.2) C14(3.6,5.2) C15(4.4,5.2) C16(5.2,5.2) C17(6,5.2) C18(6.8,5.2) D1(-6.8,4.4) D2(-6,4.4) D3(-5.2,4.4) D4(-4.4,4.4) D5(-3.6,4.4) D6(-2.8,4.4) D7(-2,4.4) D8(-1.2,4.4) D9(-0.4,4.4) D10(0.4,4.4) D11(1.2,4.4) D12(2,4.4) D13(2.8,4.4) D14(3.6,4.4) D15(4.4,4.4) D16(5.2,4.4) D17(6,4.4) D18(6.8,4.4) E1(-6.8,3.6) E2(-6,3.6) E3(-5.2,3.6) E4(-4.4,3.6) E5(-3.6,3.6) E6(-2.8,3.6) E7(-2,3.6) E8(-1.2,3.6) E9(-0.4,3.6) E10(0.4,3.6) E11(1.2,3.6) E12(2,3.6) E13(2.8,3.6) E14(3.6,3.6) E15(4.4,3.6) E16(5.2,3.6) E17(6,3.6) E18(6.8,3.6) F1(-6.8,2.8) F2(-6,2.8) F3(-5.2,2.8) F4(-4.4,2.8) F5(-3.6,2.8) F6(-2.8,2.8) F7(-2,2.8) F8(-1.2,2.8) F9(-0.4,2.8) F10(0.4,2.8) F11(1.2,2.8) F12(2,2.8) F13(2.8,2.8) F14(3.6,2.8) F15(4.4,2.8) F16(5.2,2.8) F17(6,2.8) F18(6.8,2.8) G1(-6.8,2) G2(-6,2) G3(-5.2,2) G4(-4.4,2) G5(-3.6,2) G6(-2.8,2) G7(-2,2) G8(-1.2,2) G9(-0.4,2) G10(0.4,2) G11(1.2,2) G12(2,2) G13(2.8,2) G14(3.6,2) G15(4.4,2) G16(5.2,2) G17(6,2) G18(6.8,2) H1(-6.8,1.2) H2(-6,1.2) H3(-5.2,1.2) H4(-4.4,1.2) H5(-3.6,1.2) H6(-2.8,1.2) H7(-2,1.2) H8(-1.2,1.2) H9(-0.4,1.2) H10(0.4,1.2) H11(1.2,1.2) H12(2,1.2) H13(2.8,1.2) H14(3.6,1.2) H15(4.4,1.2) H16(5.2,1.2) H17(6,1.2) H18(6.8,1.2) J1(-6.8,0.4) J2(-6,0.4) J3(-5.2,0.4) J4(-4.4,0.4) J5(-3.6,0.4) J6(-2.8,0.4) J7(-2,0.4) J8(-1.2,0.4) J9(-0.4,0.4) J10(0.4,0.4) J11(1.2,0.4) J12(2,0.4) J13(2.8,0.4) J14(3.6,0.4) J15(4.4,0.4) J16(5.2,0.4) J17(6,0.4) J18(6.8,0.4) K1(-6.8,-0.4) K2(-6,-0.4) K3(-5.2,-0.4) K4(-4.4,-0.4) K5(-3.6,-0.4) K6(-2.8,-0.4) K7(-2,-0.4) K8(-1.2,-0.4) K9(-0.4,-0.4) K10(0.4,-0.4) K11(1.2,-0.4) K12(2,-0.4) K13(2.8,-0.4) K14(3.6,-0.4) K15(4.4,-0.4) K16(5.2,-0.4) K17(6,-0.4) K18(6.8,-0.4) L1(-6.8,-1.2) L2(-6,-1.2) L3(-5.2,-1.2) L4(-4.4,-1.2) L5(-3.6,-1.2) L6(-2.8,-1.2) L7(-2,-1.2) L8(-1.2,-1.2) L9(-0.4,-1.2) L10(0.4,-1.2) L11(1.2,-1.2) L12(2,-1.2) L13(2.8,-1.2) L14(3.6,-1.2) L15(4.4,-1.2) L16(5.2,-1.2) L17(6,-1.2) L18(6.8,-1.2) M1(-6.8,-2) M2(-6,-2) M3(-5.2,-2) M4(-4.4,-2) M5(-3.6,-2) M6(-2.8,-2) M7(-2,-2) M8(-1.2,-2) M9(-0.4,-2) M10(0.4,-2) M11(1.2,-2) M12(2,-2) M13(2.8,-2) M14(3.6,-2) M15(4.4,-2) M16(5.2,-2) M17(6,-2) M18(6.8,-2) N1(-6.8,-2.8) N2(-6,-2.8) N3(-5.2,-2.8) N4(-4.4,-2.8) N5(-3.6,-2.8) N6(-2.8,-2.8) N7(-2,-2.8) N8(-1.2,-2.8) N9(-0.4,-2.8) N10(0.4,-2.8) N11(1.2,-2.8) N12(2,-2.8) N13(2.8,-2.8) N14(3.6,-2.8) N15(4.4,-2.8) N16(5.2,-2.8) N17(6,-2.8) N18(6.8,-2.8) P1(-6.8,-3.6) P2(-6,-3.6) P3(-5.2,-3.6) P4(-4.4,-3.6) P5(-3.6,-3.6) P6(-2.8,-3.6) P7(-2,-3.6) P8(-1.2,-3.6) P9(-0.4,-3.6) P10(0.4,-3.6) P11(1.2,-3.6) P12(2,-3.6) P13(2.8,-3.6) P14(3.6,-3.6) P15(4.4,-3.6) P16(5.2,-3.6) P17(6,-3.6) P18(6.8,-3.6) R1(-6.8,-4.4) R2(-6,-4.4) R3(-5.2,-4.4) R4(-4.4,-4.4) R5(-3.6,-4.4) R6(-2.8,-4.4) R7(-2,-4.4) R8(-1.2,-4.4) R9(-0.4,-4.4) R10(0.4,-4.4) R11(1.2,-4.4) R12(2,-4.4) R13(2.8,-4.4) R14(3.6,-4.4) R15(4.4,-4.4) R16(5.2,-4.4) R17(6,-4.4) R18(6.8,-4.4) T1(-6.8,-5.2) T2(-6,-5.2) T3(-5.2,-5.2) T4(-4.4,-5.2) T5(-3.6,-5.2) T6(-2.8,-5.2) T7(-2,-5.2) T8(-1.2,-5.2) T9(-0.4,-5.2) T10(0.4,-5.2) T11(1.2,-5.2) T12(2,-5.2) T13(2.8,-5.2) T14(3.6,-5.2) T15(4.4,-5.2) T16(5.2,-5.2) T17(6,-5.2) T18(6.8,-5.2) U1(-6.8,-6) U2(-6,-6) U3(-5.2,-6) U4(-4.4,-6) U5(-3.6,-6) U6(-2.8,-6) U7(-2,-6) U8(-1.2,-6) U9(-0.4,-6) U10(0.4,-6) U11(1.2,-6) U12(2,-6) U13(2.8,-6) U14(3.6,-6) U15(4.4,-6) U16(5.2,-6) U17(6,-6) U18(6.8,-6) V1(-6.8,-6.8) V2(-6,-6.8) V3(-5.2,-6.8) V4(-4.4,-6.8) V5(-3.6,-6.8) V6(-2.8,-6.8) V7(-2,-6.8) V8(-1.2,-6.8) V9(-0.4,-6.8) V10(0.4,-6.8) V11(1.2,-6.8) V12(2,-6.8) V13(2.8,-6.8) V14(3.6,-6.8) V15(4.4,-6.8) V16(5.2,-6.8) V17(6,-6.8) V18(6.8,-6.8)
  silkscreen extent -8.27,-7.5 7.5,7.5, body extent -7.5,-7.5 7.5,7.5, height 1.5
CK_KMS221GPLFS [mm] "RA tact switch gull wing with pegs"
  round 0.8 hole 0.9 unplated mask+0.07: 0(-0.975,0.55) 0(0.975,0.55)
  rect 0.7x1 smd mask+0.07: 1(-2.15,0.5) 5(2.15,0.5)
  rect 0.9x1 smd mask+0.07: 2(-2.05,2.1) 4(2.05,2.1)
  rect 1.7x0.55 smd mask+0.07: 3(0,2.725)
  silkscreen extent -1.25,-0.85 1.25,-0.13, body extent -2.3,-0.85 2.3,2.7, height 1.42
CUI_SJ_43504_SMT_TR_FLIP [mm] "3.5mm mid-mount audio jack, pads pulled back from edge"
  rect 2x1.5 smd: 1(-2.75,4.3) 3(-5.5,4.3) 4(-2.75,-4.3)
  rect 1.8x1 smd: 2(-9.3,-4.55)
  rect 2x1 smd: 5(-11.7,-4.55)
  rect 1.7x1.5 smd: 6(-10.7,4.3)
  Keep-Out Layer lines w0.1: -6,-4.25 -7.62,-4.25 cw(c-7.62,-3.6) -8.27,-3.6 -8.27,-3.3 -9.307,-3.3 cw(c-9.95,-3.2) -9.95,-3.85 ; -9.95,-3.85 -12.5,-3.85 cw(c-12.5,-3.35) -12.5,-2.85 -12.5,2.3 cw(c-12.5,2.8) -12.5,3.3 -9.625,3.3 -9.625,4.25 cw(c-9.125,4.25) -8.625,4.25 -7.35,4.25 cw(c-7.35,3.6) -6.7,3.6 -6.7,3.3 0,3.3 ; 0,-3.3 -4.75,-3.3
  silkscreen extent -13,-4.38 2,4.75, body extent -12,-4.55 2,4.55, height 3.29